# Altium PCB LASERDIODE.PcbDoc (part 3 of 3)
Units mm, origin at the board's own origin, x right, y up, seen from the top; angles counter-clockwise.
Board outline 90.01 x 90.01 mm, 4 copper layers (Top Layer, Layer 1, Layer 2, Bottom Layer), stack 1.584 mm thick; 328 components, 203 nets, 905 pads, 981 vias.
Unrouted connection lines stored in the file: 720.
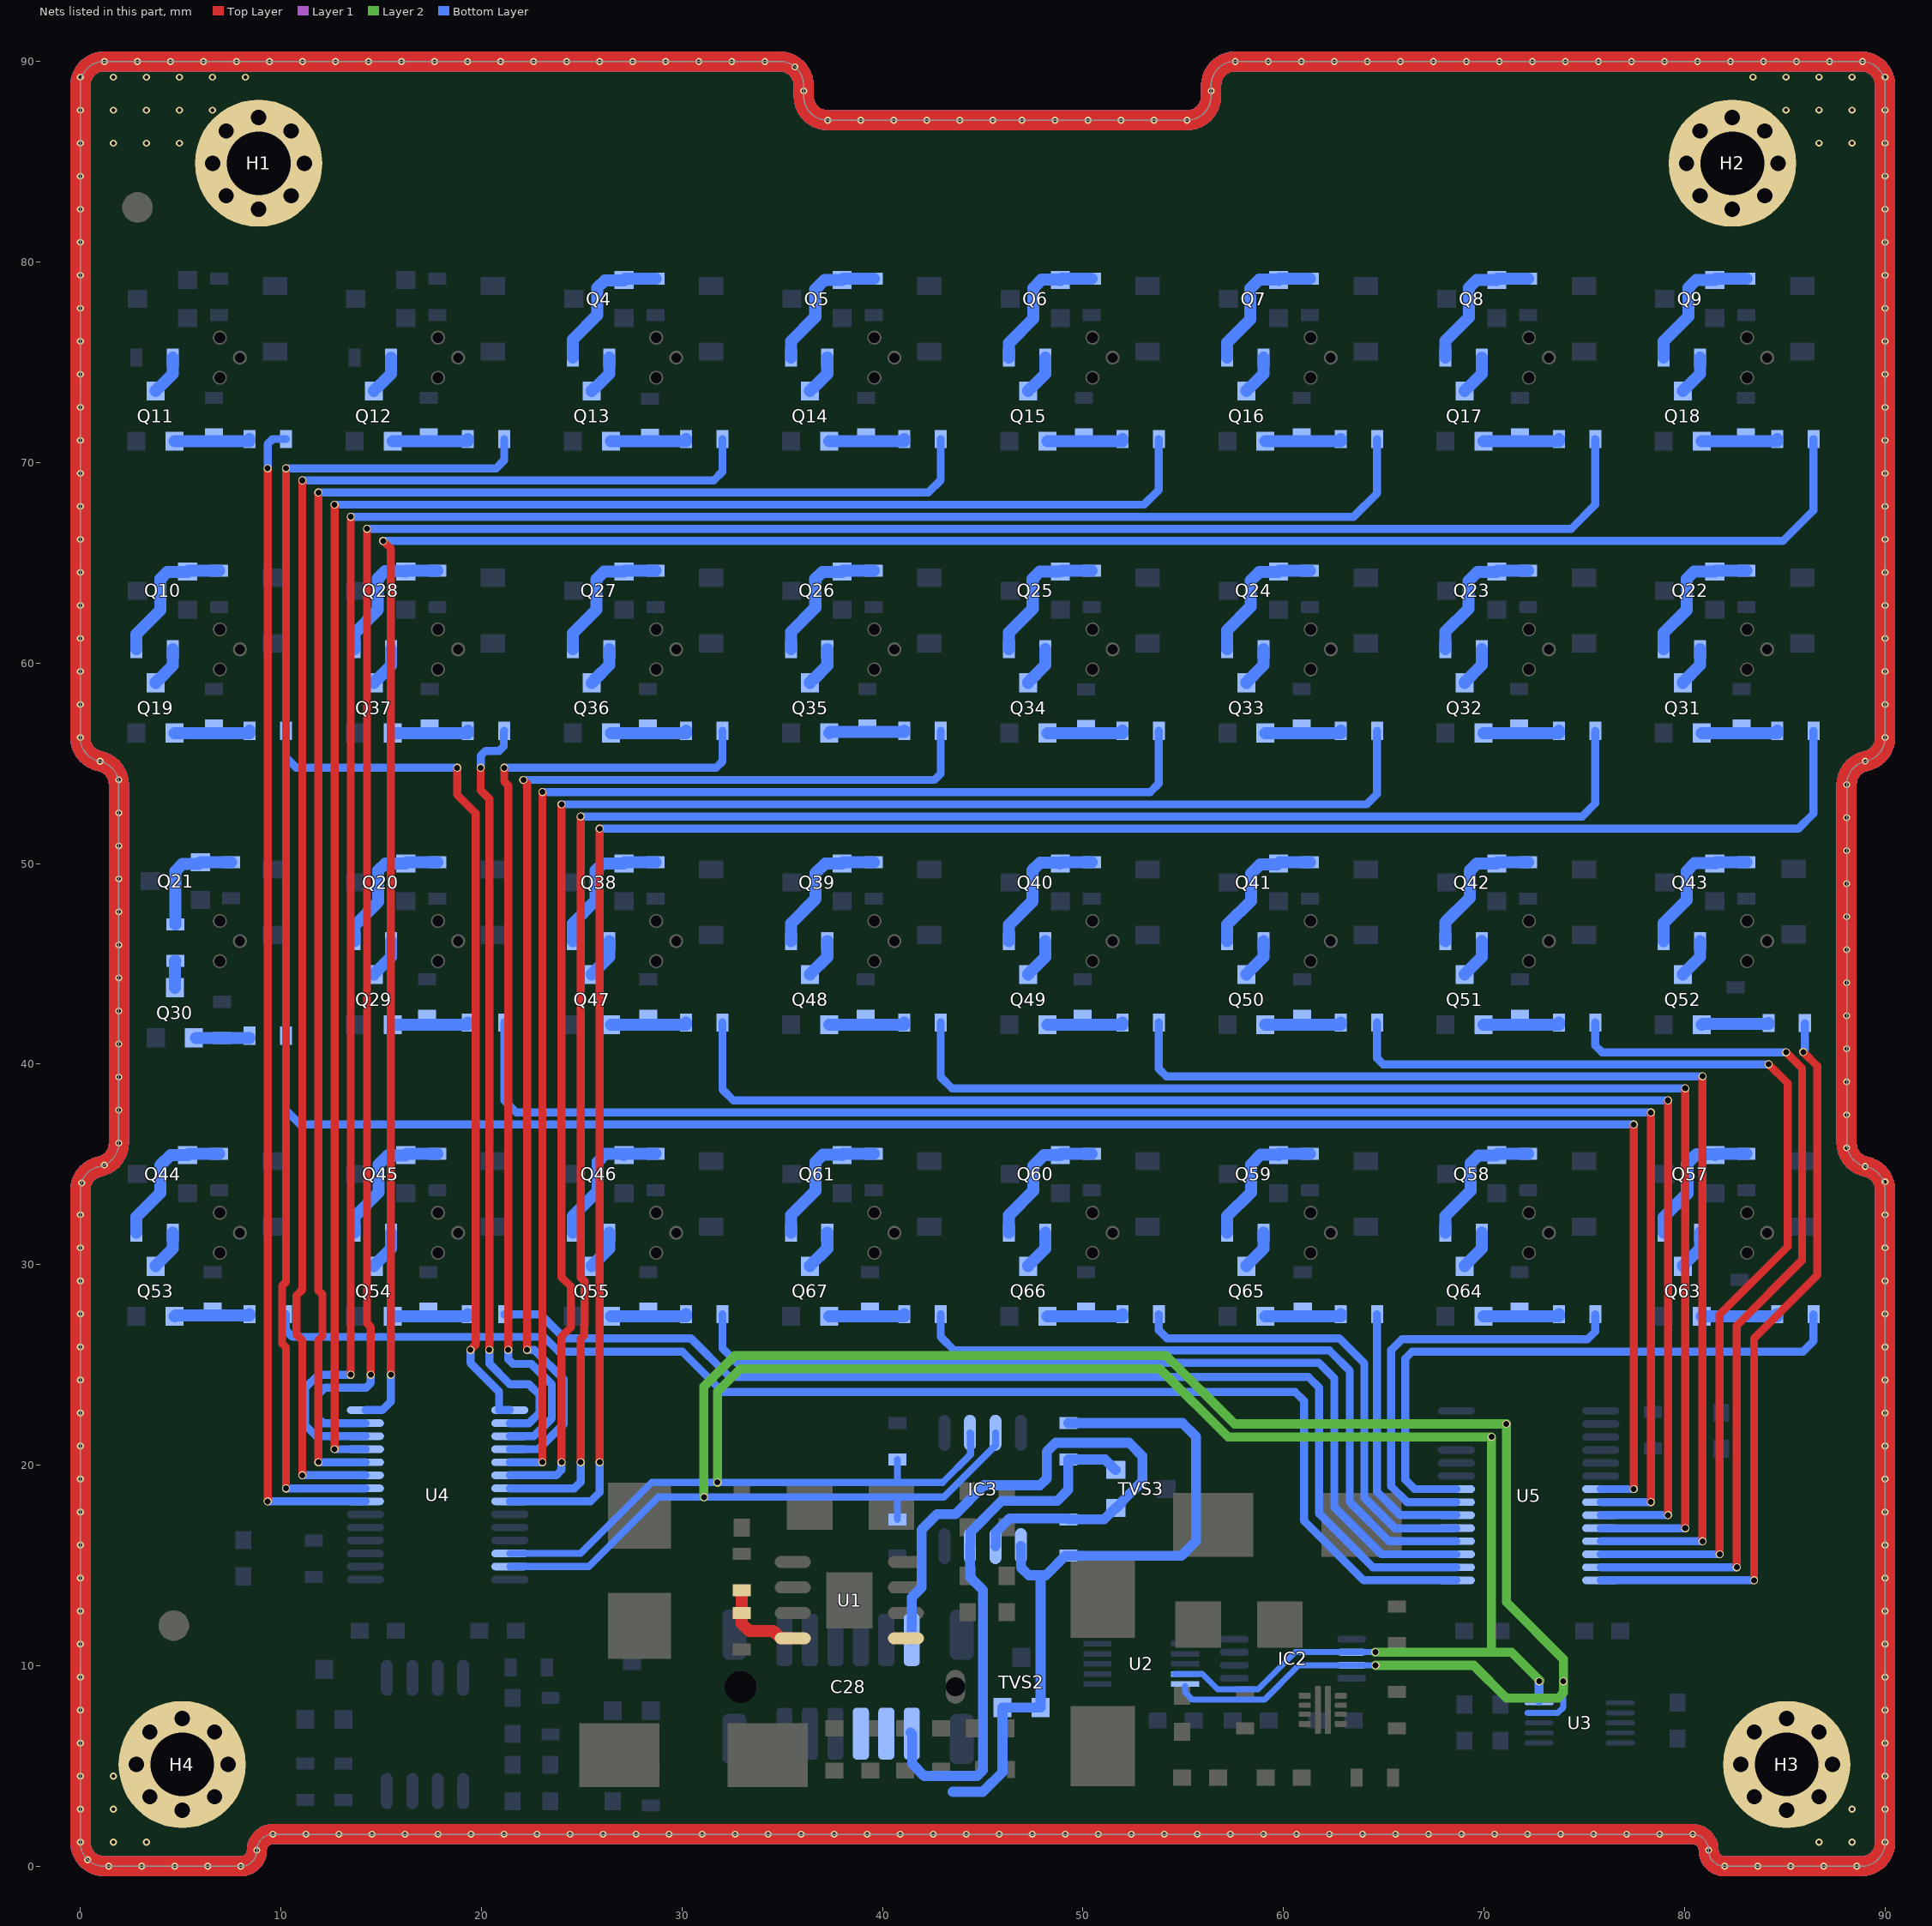
[diagram p5: the nets of this part, all layers, seen from the top]

## Via types
v1: diameter 0.4, hole 0.3, Top Layer to Bottom Layer, tented both sides, 727 vias
v2: diameter 0.35, hole 0.2, Top Layer to Bottom Layer, tented both sides, 253 vias
v3: diameter 0.4, hole 0.2, Top Layer to Bottom Layer, tented both sides, 1 vias

## Nets (pads, with @x,y where several pads share a name; then routed paths per layer and width w, separated by ;. In a path a pad name is that pad's centre, name@x,y a point inside that pad or via, vN(x,y) a via of type N, cw(c..) or ccw(c..) an arc to the next point about the centre after c; other vN are vias at no path point) (continued)
NetQ4_1: Q4.1 R20.2 R29.2 | length 7.1
  Bottom Layer w0.6: R29.2@24.553,75.232 24.553,76.133 25.78,77.36 25.78,78.71 26.16,79.09 27.095,79.09 Q4.1@27.11,79.105 27.163,79.159 R20.2@28.68,79.159
NetQ5_1: Q5.1 R21.2 R30.2 | length 7
  Bottom Layer w0.6: R30.2@35.433,75.232 35.433,76.053 36.65,77.27 36.65,78.64 37.11,79.1 37.985,79.1 Q5.1@37.99,79.105 38.043,79.159 R21.2@39.56,79.159
NetQ6_1: Q6.1 R22.2 R31.2 | length 7.1
  Bottom Layer w0.6: R31.2@46.313,75.232 46.313,75.963 47.52,77.17 47.52,78.7 47.94,79.12 48.855,79.12 Q6.1@48.87,79.105 48.923,79.159 R22.2@50.44,79.159
NetQ7_1: Q7.1 R23.2 R32.2 | length 7.1
  Bottom Layer w0.6: R32.2@57.193,75.232 57.193,75.983 58.35,77.14 58.35,78.68 58.79,79.12 Q7.1@59.765,79.12 ; Q7.1@59.75,79.105 Q7.1@59.765,79.12 ; R23.2@61.32,79.159 59.803,79.159 Q7.1@59.765,79.12
NetQ8_1: Q8.1 R24.2 R33.2 | length 7.1
  Bottom Layer w0.6: R33.2@68.073,75.232 68.073,76.063 69.25,77.24 69.25,78.72 69.63,79.1 70.625,79.1 Q8.1@70.63,79.105 70.683,79.159 R24.2@72.2,79.159
NetQ9_1: Q9.1 R25.2 R34.2 | length 7.1
  Bottom Layer w0.6: R34.2@78.953,75.232 78.953,76.053 80.19,77.29 80.19,78.72 80.57,79.1 81.505,79.1 Q9.1@81.51,79.105 81.563,79.159 R25.2@83.08,79.159
NetQ10_1: Q10.1 R26.2 R35.2 | length 7.1
  Bottom Layer w0.6: R35.2@2.793,60.686 2.793,61.443 3.99,62.64 3.99,64.19 4.341,64.541 5.333,64.541 Q10.1@5.35,64.558 5.403,64.612 R26.2@6.92,64.612
NetQ11_1: Q11.1 R36.2 R105.1 | length 3.9
  Bottom Layer w0.6: Q11.1@4.699,71.059 8.442,71.059 R36.2@8.442,71.168
NetQ11_3: Q11.3 R27.1 | length 2
  Bottom Layer w0.6: Q11.3@3.749,73.559 3.749,73.584 3.899,73.734 3.924,73.734 4.609,74.419 R27.1@4.609,75.232
NetQ12_1: Q12.1 R37.2 R111.1 | length 3.9
  Bottom Layer w0.6: Q12.1@15.579,71.059 19.324,71.059 R37.2@19.324,71.168
NetQ12_3: Q12.3 R28.1 | length 2
  Bottom Layer w0.6: Q12.3@14.629,73.559 14.629,73.584 14.829,73.784 14.854,73.784 15.489,74.419 R28.1@15.489,75.232
NetQ13_1: Q13.1 R38.2 R117.1 | length 3.9
  Bottom Layer w0.6: Q13.1@26.459,71.059 30.205,71.059 R38.2@30.205,71.168
NetQ13_3: Q13.3 R29.1 | length 2
  Bottom Layer w0.6: Q13.3@25.509,73.559 25.509,73.584 25.659,73.734 25.684,73.734 26.369,74.419 R29.1@26.369,75.232
NetQ14_1: Q14.1 R39.2 R118.1 | length 3.9
  Bottom Layer w0.6: Q14.1@37.339,71.059 41.086,71.059 R39.2@41.086,71.168
NetQ14_3: Q14.3 R30.1 | length 2
  Bottom Layer w0.6: Q14.3@36.389,73.559 36.389,73.584 36.539,73.734 36.564,73.734 37.249,74.419 R30.1@37.249,75.232
NetQ15_1: Q15.1 R40.2 R119.1 | length 3.9
  Bottom Layer w0.6: Q15.1@48.219,71.059 51.968,71.059 R40.2@51.968,71.168
NetQ15_3: Q15.3 R31.1 | length 2
  Bottom Layer w0.6: Q15.3@47.269,73.559 47.269,73.584 47.419,73.734 47.444,73.734 48.129,74.419 R31.1@48.129,75.232
NetQ16_1: Q16.1 R41.2 R120.1 | length 3.9
  Bottom Layer w0.6: Q16.1@59.099,71.059 62.849,71.059 R41.2@62.849,71.168
NetQ16_3: Q16.3 R32.1 | length 2
  Bottom Layer w0.6: Q16.3@58.149,73.559 58.149,73.584 58.299,73.734 58.324,73.734 59.009,74.419 R32.1@59.009,75.232
NetQ17_1: Q17.1 R42.2 R121.1 | length 3.9
  Bottom Layer w0.6: Q17.1@69.979,71.059 73.731,71.059 R42.2@73.731,71.168
NetQ17_3: Q17.3 R33.1 | length 2
  Bottom Layer w0.6: Q17.3@69.029,73.559 69.029,73.584 69.179,73.734 69.204,73.734 69.889,74.419 R33.1@69.889,75.232
NetQ18_1: Q18.1 R43.2 R122.1 | length 3.9
  Bottom Layer w0.6: Q18.1@80.859,71.059 84.612,71.059 R43.2@84.612,71.168
NetQ18_3: Q18.3 R34.1 | length 2
  Bottom Layer w0.6: Q18.3@79.909,73.559 79.909,73.584 80.059,73.734 80.084,73.734 80.769,74.419 R34.1@80.769,75.232
NetQ19_1: Q19.1 R44.2 R123.1 | length 3.9
  Bottom Layer w0.6: Q19.1@4.699,56.512 8.442,56.512 R44.2@8.442,56.621
NetQ19_3: Q19.3 R35.1 | length 2
  Bottom Layer w0.6: Q19.3@3.749,59.012 3.749,59.037 3.899,59.187 3.924,59.187 4.609,59.872 R35.1@4.609,60.685
NetQ20_1: Q20.1 R45.2 R54.2 | length 7.1
  Bottom Layer w0.6: R54.2@13.673,46.139 13.673,46.903 14.86,48.09 14.86,49.66 15.211,50.011 Q20.1@16.23,50.012 16.283,50.065 R45.2@17.8,50.065
NetQ21_1: Q21.1 R46.2 R55.2 | length 5.6
  Bottom Layer w0.6: R55.2@4.74,46.967 4.74,49.625 5.092,49.977 5.891,49.977 Q21.1@5.99,50.076 ; Q21.1@5.991,50.077 R46.2@7.52,50.077
NetQ22_1: Q22.1 R47.2 R56.2 | length 7.1
  Bottom Layer w0.6: R56.2@78.953,60.686 78.953,61.503 80.1,62.65 80.1,64.2 80.47,64.57 81.498,64.57 Q22.1@81.51,64.558 81.563,64.612 R47.2@83.08,64.612
NetQ23_1: Q23.1 R48.2 R57.2 | length 7.1
  Bottom Layer w0.6: R57.2@68.073,60.686 68.073,61.563 69.22,62.71 69.22,64.09 69.67,64.54 70.611,64.54 Q23.1@70.63,64.558 70.683,64.612 R48.2@72.2,64.612
NetQ24_1: Q24.1 R49.2 R58.2 | length 7.1
  Bottom Layer w0.6: R58.2@57.193,60.686 57.193,61.643 58.37,62.82 58.37,64.11 58.8,64.54 59.731,64.54 Q24.1@59.75,64.558 59.803,64.612 R49.2@61.32,64.612
NetQ25_1: Q25.1 R50.2 R59.2 | length 7.1
  Bottom Layer w0.6: R59.2@46.313,60.686 46.313,61.523 47.49,62.7 47.49,64.207 47.841,64.558 Q25.1@48.87,64.558 48.923,64.612 R50.2@50.44,64.612
NetQ26_1: Q26.1 R51.2 R60.2 | length 7.1
  Bottom Layer w0.6: R60.2@35.433,60.686 35.433,61.543 36.65,62.76 36.65,64.197 37.001,64.549 37.98,64.549 38.043,64.612 R51.2@39.56,64.612
NetQ27_1: Q27.1 R52.2 R61.2 | length 7.1
  Bottom Layer w0.6: R61.2@24.553,60.686 24.553,61.483 25.73,62.66 25.73,64.18 26.12,64.57 27.098,64.57 Q27.1@27.11,64.558 27.163,64.612 R52.2@28.68,64.612
NetQ28_1: Q28.1 R53.2 R62.2 | length 7.2
  Bottom Layer w0.6: R62.2@13.673,60.686 13.673,61.493 14.84,62.66 14.84,64.22 15.2,64.58 16.208,64.58 Q28.1@16.23,64.558 16.283,64.612 R53.2@17.8,64.612
NetQ29_1: Q29.1 R63.2 R124.1 | length 3.9
  Bottom Layer w0.6: Q29.1@15.579,41.966 19.324,41.966 R63.2@19.324,42.074
NetQ29_3: Q29.3 R54.1 | length 2
  Bottom Layer w0.6: Q29.3@14.629,44.466 14.629,44.491 15.489,45.351 R54.1@15.489,46.139
NetQ30_1: Q30.1 R64.2 R125.1 | length 2.7
  Bottom Layer w0.6: Q30.1@5.767,41.31 R64.2@8.442,41.31
NetQ30_3: Q30.3 R55.1 | length 1.4
  Bottom Layer w0.6: Q30.3@4.716,43.81 4.716,45.151 R55.1@4.74,45.151
NetQ31_1: Q31.1 R65.2 R126.1 | length 3.9
  Bottom Layer w0.6: Q31.1@80.859,56.512 82.84,56.512 84.612,56.512 R65.2@84.612,56.621
NetQ31_3: Q31.3 R56.1 | length 2
  Bottom Layer w0.6: Q31.3@79.909,59.012 79.909,59.037 80.769,59.897 R56.1@80.769,60.685
NetQ32_1: Q32.1 R66.2 R127.1 | length 3.9
  Bottom Layer w0.6: Q32.1@69.979,56.512 73.731,56.512 R66.2@73.731,56.621
NetQ32_3: Q32.3 R57.1 | length 2
  Bottom Layer w0.6: Q32.3@69.029,59.012 69.029,59.037 69.889,59.897 R57.1@69.889,60.685
NetQ33_1: Q33.1 R67.2 R128.1 | length 3.9
  Bottom Layer w0.6: Q33.1@59.099,56.512 62.849,56.512 R67.2@62.849,56.621
NetQ33_3: Q33.3 R58.1 | length 2
  Bottom Layer w0.6: Q33.3@58.149,59.012 58.149,59.037 59.009,59.897 R58.1@59.009,60.685
NetQ34_1: Q34.1 R68.2 R129.1 | length 3.9
  Bottom Layer w0.6: Q34.1@48.219,56.512 51.968,56.512 R68.2@51.968,56.621
NetQ34_3: Q34.3 R59.1 | length 2
  Bottom Layer w0.6: Q34.3@47.269,59.012 47.269,59.037 48.129,59.897 R59.1@48.129,60.685
NetQ35_1: Q35.1 R69.2 R130.1 | length 3.8
  Bottom Layer w0.6: Q35.1@37.339,56.512 37.393,56.567 41.086,56.567 R69.2@41.086,56.621
NetQ35_3: Q35.3 R60.1 | length 2
  Bottom Layer w0.6: Q35.3@36.389,59.012 36.389,59.037 36.539,59.187 36.564,59.187 37.249,59.872 R60.1@37.249,60.685
NetQ36_1: Q36.1 R70.2 R131.1 | length 3.9
  Bottom Layer w0.6: Q36.1@26.459,56.512 30.205,56.512 R70.2@30.205,56.621
NetQ36_3: Q36.3 R61.1 | length 2
  Bottom Layer w0.6: Q36.3@25.509,59.012 25.659,59.162 25.659,59.187 26.369,59.897 R61.1@26.369,60.685
NetQ37_1: Q37.1 R71.2 R132.1 | length 3.9
  Bottom Layer w0.6: Q37.1@15.579,56.512 19.324,56.512 R71.2@19.324,56.621
NetQ37_3: Q37.3 R62.1 | length 2
  Bottom Layer w0.6: Q37.3@14.629,59.012 14.629,59.037 14.779,59.187 14.804,59.187 15.489,59.872 R62.1@15.489,60.685
NetQ38_1: Q38.1 R72.2 R81.2 | length 7.1
  Bottom Layer w0.6: R81.2@24.553,46.139 24.553,47.013 25.7,48.16 25.7,49.66 26.051,50.012 Q38.1@27.11,50.012 27.163,50.065 R72.2@28.68,50.065
NetQ39_1: Q39.1 R73.2 R82.2 | length 7
  Bottom Layer w0.6: R82.2@35.433,46.139 35.433,47.003 36.67,48.24 36.67,49.53 37.15,50.01 37.988,50.01 Q39.1@37.99,50.012 38.043,50.065 R73.2@39.56,50.065
NetQ40_1: Q40.1 R74.2 R83.2 | length 7.2
  Bottom Layer w0.6: R83.2@46.313,46.139 46.313,46.953 47.47,48.11 47.47,49.66 47.86,50.05 48.831,50.05 Q40.1@48.87,50.012 48.923,50.065 R74.2@50.44,50.065
NetQ41_1: Q41.1 R75.2 R84.2 | length 7
  Bottom Layer w0.6: R84.2@57.193,46.139 57.193,46.963 58.38,48.15 58.38,49.51 58.83,49.96 59.698,49.96 Q41.1@59.75,50.012 59.803,50.065 R75.2@61.32,50.065
NetQ42_1: Q42.1 R76.2 R85.2 | length 7.1
  Bottom Layer w0.6: R85.2@68.073,46.139 68.073,47.083 69.28,48.29 69.28,49.65 69.64,50.01 70.628,50.01 Q42.1@70.63,50.012 70.683,50.065 R76.2@72.2,50.065
NetQ43_1: Q43.1 R77.2 R86.2 | length 7.1
  Bottom Layer w0.6: R86.2@78.953,46.139 78.953,47.033 80.1,48.18 80.1,49.62 80.5,50.02 81.501,50.02 Q43.1@81.51,50.012 81.563,50.065 R77.2@83.08,50.065
NetQ44_1: Q44.1 R78.2 R87.2 | length 7
  Bottom Layer w0.6: R87.2@2.793,31.592 2.793,32.393 3.99,33.59 3.99,34.96 4.495,35.465 Q44.1@5.35,35.465 5.403,35.519 R78.2@6.92,35.519
NetQ45_1: Q45.1 R79.2 R88.2 | length 7
  Bottom Layer w0.6: R88.2@13.673,31.592 13.673,32.393 14.88,33.6 14.88,34.99 15.33,35.44 16.205,35.44 Q45.1@16.23,35.465 16.283,35.519 R79.2@17.8,35.519
NetQ46_1: Q46.1 R80.2 R89.2 | length 7.1
  Bottom Layer w0.6: R89.2@24.553,31.592 24.553,32.423 25.79,33.66 25.79,35.12 26.19,35.52 27.055,35.52 Q46.1@27.11,35.465 27.163,35.519 R80.2@28.68,35.519
NetQ47_1: Q47.1 R90.2 R133.1 | length 3.9
  Bottom Layer w0.6: Q47.1@26.459,41.966 30.205,41.966 R90.2@30.205,42.074
NetQ47_3: Q47.3 R81.1 | length 2
  Bottom Layer w0.6: Q47.3@25.509,44.466 25.509,44.491 26.369,45.351 R81.1@26.369,46.139
NetQ48_1: Q48.1 R91.2 R134.1 | length 3.9
  Bottom Layer w0.6: Q48.1@37.339,41.966 41.086,41.966 R91.2@41.086,42.074
NetQ48_3: Q48.3 R82.1 | length 2
  Bottom Layer w0.6: Q48.3@36.389,44.466 36.389,44.491 37.249,45.351 R82.1@37.249,46.139
NetQ49_1: Q49.1 R92.2 R135.1 | length 3.9
  Bottom Layer w0.6: Q49.1@48.219,41.966 51.968,41.966 R92.2@51.968,42.074
NetQ49_3: Q49.3 R83.1 | length 2
  Bottom Layer w0.6: Q49.3@47.269,44.466 47.269,44.491 48.129,45.351 R83.1@48.129,46.139
NetQ50_1: Q50.1 R93.2 R136.1 | length 3.9
  Bottom Layer w0.6: Q50.1@59.099,41.966 62.849,41.966 R93.2@62.849,42.074
NetQ50_3: Q50.3 R84.1 | length 2
  Bottom Layer w0.6: Q50.3@58.149,44.466 58.149,44.491 59.009,45.351 R84.1@59.009,46.139
NetQ51_1: Q51.1 R94.2 R137.1 | length 3.9
  Bottom Layer w0.6: Q51.1@69.979,41.966 73.731,41.966 R94.2@73.731,42.074
NetQ51_3: Q51.3 R85.1 | length 2
  Bottom Layer w0.6: Q51.3@69.029,44.466 69.029,44.491 69.889,45.351 R85.1@69.889,46.139
NetQ52_1: Q52.1 R95.2 R138.1 | length 3.4
  Bottom Layer w0.6: Q52.1@80.859,41.966 80.896,42.003 84.182,42.003 R95.2@84.182,42.04
NetQ52_3: Q52.3 R86.1 | length 2
  Bottom Layer w0.6: Q52.3@79.909,44.466 79.909,44.491 80.769,45.351 R86.1@80.769,46.139
NetQ53_1: Q53.1 R96.2 R139.1 | length 3.8
  Bottom Layer w0.6: Q53.1@4.699,27.419 4.753,27.473 6.598,27.473 8.442,27.473 R96.2@8.442,27.528
NetQ53_3: Q53.3 R87.1 | length 2
  Bottom Layer w0.6: Q53.3@3.749,29.919 3.749,29.944 4.609,30.804 R87.1@4.609,31.592
NetQ54_1: Q54.1 R97.2 R140.1 | length 3.9
  Bottom Layer w0.6: Q54.1@15.579,27.419 19.324,27.419 R97.2@19.324,27.528
NetQ54_3: Q54.3 R88.1 | length 2
  Bottom Layer w0.6: Q54.3@14.629,29.919 14.629,29.944 15.489,30.804 R88.1@15.489,31.592
NetQ55_1: Q55.1 R98.2 R141.1 | length 3.9
  Bottom Layer w0.6: Q55.1@26.459,27.419 30.205,27.419 R98.2@30.205,27.528
NetQ55_3: Q55.3 R89.1 | length 2
  Bottom Layer w0.6: Q55.3@25.509,29.919 25.509,29.944 26.369,30.804 R89.1@26.369,31.592
NetQ57_1: Q57.1 R100.2 R106.2 | length 7.1
  Bottom Layer w0.6: R106.2@78.953,31.592 78.953,32.363 80.14,33.55 80.14,35.06 80.59,35.51 81.465,35.51 Q57.1@81.51,35.465 81.563,35.519 R100.2@83.08,35.519
NetQ58_1: Q58.1 R101.2 R107.2 | length 7
  Bottom Layer w0.6: R107.2@68.073,31.592 68.073,32.423 69.33,33.68 69.33,35.06 69.72,35.45 70.615,35.45 Q58.1@70.63,35.465 70.683,35.519 R101.2@72.2,35.519
NetQ59_1: Q59.1 R102.2 R108.2 | length 7.1
  Bottom Layer w0.6: R108.2@57.193,31.592 57.193,32.423 58.38,33.61 58.38,35 58.86,35.48 Q59.1@59.735,35.48 ; Q59.1@59.75,35.465 Q59.1@59.735,35.48 ; R102.2@61.32,35.519 59.773,35.519 Q59.1@59.735,35.48
NetQ60_1: Q60.1 R103.2 R109.2 | length 7
  Bottom Layer w0.6: R109.2@46.313,31.592 46.313,32.473 47.52,33.68 47.52,34.92 48.06,35.46 48.865,35.46 Q60.1@48.87,35.465 48.923,35.519 R103.2@50.44,35.519
NetQ61_1: Q61.1 R104.2 R110.2 | length 7.1
  Bottom Layer w0.6: R110.2@35.433,31.592 35.433,32.463 36.66,33.69 36.66,35.12 37.02,35.48 37.975,35.48 Q61.1@37.99,35.465 38.043,35.519 R104.2@39.56,35.519
NetQ63_1: Q63.1 R112.2 R142.1 | length 3.9
  Bottom Layer w0.6: Q63.1@80.859,27.419 84.612,27.419 R112.2@84.612,27.528
NetQ63_3: Q63.3 R106.1 | length 2
  Bottom Layer w0.6: Q63.3@79.909,29.919 79.909,29.944 80.769,30.804 R106.1@80.769,31.592
NetQ64_1: Q64.1 R113.2 R143.1 | length 3.9
  Bottom Layer w0.6: Q64.1@69.979,27.419 73.731,27.419 R113.2@73.731,27.528
NetQ64_3: Q64.3 R107.1 | length 2
  Bottom Layer w0.6: Q64.3@69.029,29.919 69.029,29.944 69.889,30.804 R107.1@69.889,31.592
NetQ65_1: Q65.1 R114.2 R144.1 | length 3.9
  Bottom Layer w0.6: Q65.1@59.099,27.419 62.849,27.419 R114.2@62.849,27.528
NetQ65_3: Q65.3 R108.1 | length 2
  Bottom Layer w0.6: Q65.3@58.149,29.919 58.149,29.944 59.009,30.804 R108.1@59.009,31.592
NetQ66_1: Q66.1 R115.2 R145.1 | length 3.9
  Bottom Layer w0.6: Q66.1@48.219,27.419 51.968,27.419 R115.2@51.968,27.528
NetQ66_3: Q66.3 R109.1 | length 2
  Bottom Layer w0.6: Q66.3@47.269,29.919 47.269,29.944 48.129,30.804 R109.1@48.129,31.592
NetQ67_1: Q67.1 R116.2 R146.1 | length 3.9
  Bottom Layer w0.6: Q67.1@37.339,27.419 41.086,27.419 R116.2@41.086,27.528
NetQ67_3: Q67.3 R110.1 | length 2
  Bottom Layer w0.6: Q67.3@36.389,29.919 36.389,29.944 37.249,30.804 R110.1@37.249,31.592
NetR5_1: R5.1 R7.2 U1.4 | length 4.5
  Top Layer w0.6: R5.1@32.98,13.763 R7.2@32.98,12.635 32.99,12.635 32.99,12.091 33.341,11.74 34.548,11.74 34.925,11.363 U1.4@35.525,11.363
SCL: IC2.6 IC3.6 R11.1 U2.9 U3.10 U4.12 U5.12 | length 105.6
  Layer 2 w0.45: v1(31.77,19.14) 31.77,23.67 32.91,24.81 53.83,24.81 57.232,21.408 v1(70.37,21.408) 70.37,10.68 ; v1(64.58,10.68) 70.37,10.68 ; v1@72.788,9.263 71.37,10.68 70.37,10.68
  Bottom Layer w0.3: U2.9@54.56,9.59 U2.9@55.094,9.59 55.94,9.59 56.71,8.82 58.73,8.82 60.585,10.675 IC2.6@63.395,10.675 63.398,10.673 64.517,10.673 v1@64.52,10.67
  Bottom Layer w0.35: U4.12@21.418,15.595 24.945,15.595 28.49,19.14 v1(31.77,19.14) 40.73,19.14 ; R11.1@40.75,20.281 40.75,19.16 40.73,19.14 ; IC3.6@44.365,21.615 44.387,21.593 44.387,20.527 43,19.14 40.73,19.14
  Bottom Layer w0.4: U5.12@68.618,21.408 v1(70.37,21.408)
  Bottom Layer w0.45: U3.10@72.745,8.25 v1(72.745,9.22)
SCL_LD: C28.12 IC3.3 R8.1 TVS3.3 | length 27.5
  Bottom Layer w0.5: C28.12@41.395,6.665 41.481,6.579 41.481,5.108 42.089,4.5 44.72,4.5 45.013,4.793 45.013,13.772 44.365,14.42 IC3.3@44.365,15.965 44.384,15.984 44.384,16.664 45.94,18.22 48.72,18.22 49.27,18.77 R8.1@49.27,20.281 51.098,20.281 51.615,19.764 TVS3.3@51.64,19.764
SDA: IC2.7 IC3.7 R10.1 U2.10 U3.9 U4.13 U5.13 | length 117.1
  Layer 2 w0.45: v1(31.1,18.41) 31.1,23.93 32.64,25.47 54.14,25.47 57.552,22.058 v1(71.11,22.058) 71.11,13.17 73.96,10.32 v1(73.96,9.22) 73.96,8.654 73.696,8.39 71.112,8.39 69.482,10.02 v1(64.59,10.02)
  Bottom Layer w0.3: U2.10@55.09,8.99 55.09,8.67 55.46,8.3 59.04,8.3 60.765,10.025 IC2.7@63.395,10.025 63.403,10.018 64.512,10.018 v1@64.52,10.01 ; U3.9@72.17,7.65 U3.9@72.745,7.65 73.68,7.65 73.96,7.93 v1(73.96,9.22)
  Bottom Layer w0.35: U4.13@21.418,14.945 25.345,14.945 28.81,18.41 v1(31.1,18.41) 40.79,18.41 ; R10.1@40.75,17.299 40.75,18.37 40.79,18.41 ; IC3.7@45.635,21.615 45.635,20.995 43.05,18.41 40.79,18.41
  Bottom Layer w0.4: U5.13@68.618,22.058 v1(71.11,22.058)
SDA_LD: C28.1 IC3.2 R9.1 TVS3.1 | length 29.9
  Bottom Layer w0.5: C28.1@41.463,11.283 41.463,13.413 41.947,13.897 41.947,16.789 42.716,17.558 43.637,17.558 45.079,19 47.86,19 48.2,19.34 48.2,20.67 48.65,21.12 52.29,21.12 52.96,20.45 52.96,19.209 51.94,18.189 51.94,18.139 51.665,17.864 TVS3.1@51.64,17.864 51.615,17.864 51.05,17.299 R9.1@49.27,17.299 49.229,17.34 46.33,17.34 45.654,16.664 45.654,15.984 IC3.2@45.635,15.965
SHIELD: H1.1 H2.1 H3.1 H4.1 | length 1470.2
  Top Layer w1: v2(-0.001,56.285) ccw(c1.199,56.285) v2(0.99,55.102) ; v2@0,56.286 0,88.8 cw(c1.2,88.8) v2(1.2,90) 34.87,90 cw(c34.87,88.8) 36.07,88.8 36.07,88.27 ccw(c37.27,88.27) v2(37.27,87.07) v2(55.19,87.07) ccw(c55.19,88.27) 56.39,88.27 56.39,88.8 cw(c57.59,88.8) v2(57.59,90) 88.8,90 cw(c88.8,88.8) 90,88.8 ; 0.928,34.883 ccw(c0.72,36.065) v2(1.92,36.065) 1.92,53.935 ccw(c0.72,53.935) v2@0.928,55.117 ; 0.992,34.897 ccw(c1.2,33.715) 0,33.715 v2(0,1.2) ccw(c1.2,1.2) 1.2,0 v2(8,0) ccw(c8,0.8) v2(8.8,0.8) cw(c9.6,0.8) v2(9.6,1.6) 80.4,1.6 cw(c80.4,0.8) v2(81.2,0.8) ccw(c82,0.8) v2(82,0) 88.8,0 ccw(c88.8,1.2) v2(90,1.2) 90,33.712 ; v2(89.007,34.895) cw(c88.799,33.713) 89.999,33.713 ; v2(89.007,55.107) ccw(c88.799,56.289) v2(89.999,56.289) 89.999,88.799 ; v2@89.072,34.883 cw(c89.28,36.065) 88.08,36.065 v2(88.08,53.935) cw(c89.28,53.935) v2@89.072,55.117
  Layer 1 w1: v2(-0.001,56.285) ccw(c1.199,56.285) v2(0.99,55.102) ; v2@0,56.286 0,88.8 cw(c1.2,88.8) v2(1.2,90) 34.87,90 cw(c34.87,88.8) 36.07,88.8 36.07,88.27 ccw(c37.27,88.27) v2(37.27,87.07) v2(55.19,87.07) ccw(c55.19,88.27) 56.39,88.27 56.39,88.8 cw(c57.59,88.8) v2(57.59,90) 88.8,90 cw(c88.8,88.8) 90,88.8 ; 0.928,34.883 ccw(c0.72,36.065) v2(1.92,36.065) 1.92,53.935 ccw(c0.72,53.935) v2@0.928,55.117 ; 0.992,34.897 ccw(c1.2,33.715) 0,33.715 v2(0,1.2) ccw(c1.2,1.2) 1.2,0 v2(8,0) ccw(c8,0.8) v2(8.8,0.8) cw(c9.6,0.8) v2(9.6,1.6) 80.4,1.6 cw(c80.4,0.8) v2(81.2,0.8) ccw(c82,0.8) v2(82,0) 88.8,0 ccw(c88.8,1.2) v2(90,1.2) 90,33.712 ; v2(89.007,34.895) cw(c88.799,33.713) 89.999,33.713 ; v2(89.007,55.107) ccw(c88.799,56.289) v2(89.999,56.289) 89.999,88.799 ; v2@89.072,34.883 cw(c89.28,36.065) 88.08,36.065 v2(88.08,53.935) cw(c89.28,53.935) v2@89.072,55.117
  Layer 2 w1: v2(-0.001,56.285) ccw(c1.199,56.285) v2(0.99,55.102) ; v2@0,56.286 0,88.8 cw(c1.2,88.8) v2(1.2,90) 34.87,90 cw(c34.87,88.8) 36.07,88.8 36.07,88.27 ccw(c37.27,88.27) v2(37.27,87.07) v2(55.19,87.07) ccw(c55.19,88.27) 56.39,88.27 56.39,88.8 cw(c57.59,88.8) v2(57.59,90) 88.8,90 cw(c88.8,88.8) 90,88.8 ; 0.928,34.883 ccw(c0.72,36.065) v2(1.92,36.065) 1.92,53.935 ccw(c0.72,53.935) v2@0.928,55.117 ; 0.992,34.897 ccw(c1.2,33.715) 0,33.715 v2(0,1.2) ccw(c1.2,1.2) 1.2,0 v2(8,0) ccw(c8,0.8) v2(8.8,0.8) cw(c9.6,0.8) v2(9.6,1.6) 80.4,1.6 cw(c80.4,0.8) v2(81.2,0.8) ccw(c82,0.8) v2(82,0) 88.8,0 ccw(c88.8,1.2) v2(90,1.2) 90,33.712 ; v2(89.007,34.895) cw(c88.799,33.713) 89.999,33.713 ; v2(89.007,55.107) ccw(c88.799,56.289) v2(89.999,56.289) 89.999,88.799 ; v2@89.072,34.883 cw(c89.28,36.065) 88.08,36.065 v2(88.08,53.935) cw(c89.28,53.935) v2@89.072,55.117
  Bottom Layer w1: v2(-0.001,56.285) ccw(c1.199,56.285) v2(0.99,55.102) ; v2@0,56.286 0,88.8 cw(c1.2,88.8) v2(1.2,90) 34.87,90 cw(c34.87,88.8) 36.07,88.8 36.07,88.27 ccw(c37.27,88.27) v2(37.27,87.07) v2(55.19,87.07) ccw(c55.19,88.27) 56.39,88.27 56.39,88.8 cw(c57.59,88.8) v2(57.59,90) 88.8,90 cw(c88.8,88.8) 90,88.8 ; 0.928,34.883 ccw(c0.72,36.065) v2(1.92,36.065) 1.92,53.935 ccw(c0.72,53.935) v2@0.928,55.117 ; 0.992,34.897 ccw(c1.2,33.715) 0,33.715 v2(0,1.2) ccw(c1.2,1.2) 1.2,0 v2(8,0) ccw(c8,0.8) v2(8.8,0.8) cw(c9.6,0.8) v2(9.6,1.6) 80.4,1.6 cw(c80.4,0.8) v2(81.2,0.8) ccw(c82,0.8) v2(82,0) 88.8,0 ccw(c88.8,1.2) v2(90,1.2) 90,33.712 ; v2(89.007,34.895) cw(c88.799,33.713) 89.999,33.713 ; v2(89.007,55.107) ccw(c88.799,56.289) v2(89.999,56.289) 89.999,88.799 ; v2@89.072,34.883 cw(c89.28,36.065) 88.08,36.065 v2(88.08,53.935) cw(c89.28,53.935) v2@89.072,55.117
  other v2: 1.414,0 3.06,0 4.707,0 6.353,0 83.647,0 85.293,0 86.94,0 88.586,0 0.369,0.325 1.647,1.2 3.293,1.2 86.707,1.2 88.353,1.2 11.247,1.6 12.893,1.6 14.54,1.6 16.186,1.6 17.833,1.6 19.48,1.6 21.126,1.6 22.773,1.6 24.419,1.6 26.066,1.6 27.712,1.6 29.359,1.6 31.006,1.6 32.652,1.6 34.299,1.6 35.945,1.6 37.592,1.6 39.239,1.6 40.885,1.6 42.532,1.6 44.178,1.6 45.825,1.6 47.471,1.6 49.118,1.6 50.765,1.6 52.411,1.6 54.058,1.6 55.704,1.6 57.351,1.6 58.998,1.6 60.644,1.6 62.291,1.6 63.937,1.6 65.584,1.6 67.23,1.6 68.877,1.6 70.524,1.6 72.17,1.6 73.817,1.6 75.463,1.6 77.11,1.6 78.757,1.6 80.403,1.6 0,2.847 1.647,2.847 88.353,2.847 90,2.847 0,4.493 1.647,4.493 90,4.493 0,6.14 90,6.14 0,7.786 90,7.786 0,9.433 90,9.433 0,11.08 90,11.08 0,12.726 90,12.726 0,14.373 90,14.373 0,16.019 90,16.019 0,17.666 90,17.666 0,19.312 90,19.312 0,20.959 90,20.959 0,22.606 90,22.606 0,24.252 90,24.252 0,25.899 90,25.899 0,27.545 90,27.545 0,29.192 90,29.192 0,30.839 90,30.839 0,32.485 90,32.485 0.07,34.07 90,34.132 1.2,34.965 88.08,35.823 88.08,37.469 1.92,37.712 88.08,39.116 1.92,39.358 88.08,40.762 1.92,41.005 88.08,42.409 1.92,42.651 88.08,44.055 1.92,44.298 88.08,45.702 1.92,45.945 88.08,47.349 1.92,47.591 88.08,48.995 1.92,49.238 88.08,50.642 1.92,50.884 88.08,52.288 1.92,52.531 1.92,54.177 -0.001,57.932 89.999,57.936 -0.001,59.578 89.999,59.582 -0.001,61.225 89.999,61.229 -0.001,62.871 89.999,62.875 -0.001,64.518 89.999,64.522 -0.001,66.165 89.999,66.169 -0.001,67.811 89.999,67.815 -0.001,69.458 89.999,69.462 -0.001,71.104 89.999,71.108 -0.001,72.751 89.999,72.755 -0.001,74.397 89.999,74.401 -0.001,76.044 89.999,76.048 -0.001,77.691 89.999,77.695 -0.001,79.337 89.999,79.341 -0.001,80.984 89.999,80.988 -0.001,82.63 89.999,82.634 -0.001,84.277 89.999,84.281 -0.001,85.924 1.646,85.924 3.292,85.924 4.939,85.924 86.706,85.928 88.352,85.928 89.999,85.928 38.917,87.07 40.563,87.07 42.21,87.07 43.856,87.07 45.503,87.07 46.957,87.07 48.604,87.07 50.25,87.07 51.897,87.07 53.543,87.07 -0.001,87.57 1.646,87.57 3.292,87.57 4.939,87.57 6.585,87.57 85.059,87.574 86.706,87.574 88.352,87.574 89.999,87.574 36.07,88.535 56.39,88.535 -0.001,89.217 1.646,89.217 3.292,89.217 4.939,89.217 6.585,89.217 8.232,89.217 83.413,89.221 85.059,89.221 86.706,89.221 88.352,89.221 89.999,89.221 35.63,89.73 2.847,90 4.493,90 6.14,90 7.786,90 9.433,90 11.08,90 12.726,90 14.373,90 16.019,90 17.666,90 19.312,90 20.959,90 22.606,90 24.252,90 25.899,90 27.545,90 29.192,90 30.839,90 32.485,90 34.132,90 59.237,90 60.883,90 62.53,90 64.176,90 65.823,90 67.47,90 69.116,90 70.763,90 72.409,90 74.056,90 75.702,90 77.349,90 78.996,90 80.642,90 82.289,90 83.935,90 85.582,90 87.229,90 88.875,90
SW0: R36.1 U4.21 | length 58.6
  Top Layer w0.4: v1(9.34,18.195) v1(9.34,69.71)
  Bottom Layer w0.4: v1(9.34,18.195) U4.21@14.218,18.195 ; v1(9.34,69.71) 9.34,70.92 9.587,71.167 R36.1@10.258,71.167
SW1: R37.1 U4.22 | length 67.1
  Top Layer w0.4: v1(10.258,18.845) 10.258,25.872 10.06,26.07 10.06,28.94 10.258,29.138 v1(10.258,69.71)
  Bottom Layer w0.4: v1(10.258,18.845) U4.22@14.218,18.845 ; v1(10.258,69.71) 20.732,69.71 21.139,70.117 R37.1@21.139,71.167
SW2: R38.1 U4.23 | length 75.8
  Top Layer w0.4: v1(11.065,19.495) 11.065,26.225 10.78,26.51 10.78,28.46 11.065,28.745 v1(11.065,69.107)
  Bottom Layer w0.4: v1(11.065,19.495) U4.23@14.218,19.495 ; v1(11.065,69.107) 31.58,69.107 32.021,69.548 R38.1@32.021,71.167
SW3: R39.1 U4.24 | length 84.2
  Top Layer w0.4: v1(11.872,20.145) 11.872,26.242 12.07,26.44 12.07,28.51 11.872,28.708 v1(11.872,68.503)
  Bottom Layer w0.4: v1(11.872,20.145) U4.24@14.218,20.145 ; v1(11.872,68.503) 42.283,68.503 42.902,69.123 R39.1@42.902,71.167
SW4: R40.1 U4.25 | length 92.6
  Top Layer w0.4: v1(12.679,20.795) v1(12.679,67.9)
  Bottom Layer w0.4: v1(12.679,20.795) U4.25@14.218,20.795 ; v1(12.679,67.9) 53.043,67.9 53.784,68.641 R40.1@53.784,71.167
SW5: R41.1 U4.26 | length 104.7
  Top Layer w0.4: v1(13.486,24.51) v1(13.486,67.297)
  Bottom Layer w0.4: v1(13.486,24.51) 11.87,24.51 11.21,23.85 11.21,22 11.765,21.445 U4.26@14.218,21.445 ; v1@13.55,67.297 63.497,67.297 64.665,68.465 R41.1@64.665,71.167
SW6: R42.1 U4.27 | length 114.2
  Top Layer w0.4: v1(14.293,66.693) 14.293,27.077 14.485,26.885 v1(14.485,24.51)
  Bottom Layer w0.4: U4.27@14.218,22.095 12.114,22.095 11.88,22.329 11.88,23.54 12.2,23.86 14.251,23.86 14.485,24.094 v1(14.485,24.51) ; v1@14.325,66.693 74.343,66.693 75.547,67.897 R42.1@75.547,71.167
SW7: R43.1 U4.28 | length 120
  Top Layer w0.4: v1(15.1,66.09) 15.485,65.705 v1(15.485,24.51)
  Bottom Layer w0.4: U4.28@14.218,22.745 15.058,22.745 15.485,23.172 v1(15.485,24.51) ; v1(15.1,66.09) 84.91,66.09 86.428,67.608 R43.1@86.428,71.167
SW8: R44.1 U4.1 | length 43.7
  Top Layer w0.4: v1(18.79,54.78) 18.79,53.43 19.71,52.51 19.71,26.008 v1(19.452,25.75)
  Bottom Layer w0.4: R44.1@10.258,56.621 10.258,55.292 10.77,54.78 v1(18.79,54.78) ; v1(19.452,25.75) 19.452,25.097 20.883,23.666 20.883,22.755 20.893,22.745 U4.1@21.418,22.745
SW9: R71.1 U4.2 | length 38.4
  Top Layer w0.4: v1(19.965,54.78) 19.965,53.663 20.395,53.233 v1(20.395,25.75)
  Bottom Layer w0.4: v1(19.965,54.78) 19.967,54.782 19.967,55.377 20.201,55.611 20.882,55.611 21.116,55.846 21.116,56.597 R71.1@21.139,56.621 ; v1(20.395,25.75) 20.395,25.067 21.431,24.03 22.375,24.03 22.9,23.505 22.9,22.62 22.375,22.095 U4.2@21.418,22.095
SW10: R70.1 U4.3 | length 49
  Top Layer w0.4: v1(21.139,54.78) 21.139,54.095 21.337,53.897 v1(21.337,25.75)
  Bottom Layer w0.4: v1(21.139,54.78) 31.71,54.78 32.021,55.091 R70.1@32.021,56.621 ; v1(21.337,25.75) 21.337,25.284 21.572,25.05 22.49,25.05 23.51,24.03 23.51,22.34 22.615,21.445 U4.3@21.418,21.445
SW11: R69.1 U4.4 | length 59.5
  Top Layer w0.4: v1(22.092,54.172) 22.28,53.984 v1(22.28,25.75)
  Bottom Layer w0.4: U4.4@21.418,20.795 22.845,20.795 24.11,22.06 24.11,24.28 22.64,25.75 v1(22.28,25.75) ; v1@22.092,54.17 42.59,54.17 42.902,54.482 R69.1@42.902,56.621
SW12: R68.1 U4.5 | length 68.6
  Top Layer w0.4: v1(23.044,20.145) v1(23.044,53.564)
  Bottom Layer w0.4: U4.5@21.418,20.145 v1(23.044,20.145) ; v1(23.044,53.564) 53.344,53.564 53.784,54.004 R68.1@53.784,56.621
SW13: R67.1 U4.6 | length 80.3
  Top Layer w0.4: v1(23.996,20.145) 23.996,26.416 24.46,26.88 24.46,28.91 23.996,29.374 v1(23.996,52.956)
  Bottom Layer w0.4: U4.6@21.418,19.495 23.735,19.495 23.996,19.756 v1(23.996,20.145) ; v1(23.996,52.956) 64.146,52.956 64.665,53.475 R67.1@64.665,56.621
SW14: R66.1 U4.7 | length 91.5
  Top Layer w0.4: v1(24.948,20.145) 24.948,26.298 25.12,26.47 25.12,27 25.14,27.02 25.14,29.18 24.948,29.372 v1(24.948,52.348)
  Bottom Layer w0.4: U4.7@21.418,18.845 24.635,18.845 24.948,19.158 v1(24.948,20.145) ; v1(24.948,52.348) 74.888,52.348 75.547,53.007 R66.1@75.547,56.621
SW15: R65.1 U4.8 | length 102.7
  Top Layer w0.4: v1(25.9,20.145) v1(25.9,51.74)
  Bottom Layer w0.4: U4.8@21.418,18.195 25.445,18.195 25.9,18.65 v1(25.9,20.145) ; v1(25.9,51.74) 85.67,51.74 86.428,52.498 R65.1@86.428,56.621
SW16: R64.1 U5.21 | length 91.1
  Top Layer w0.4: v1(77.46,18.808) v1(77.46,36.989)
  Bottom Layer w0.4: R64.1@10.258,41.44 10.258,37.692 10.961,36.989 v1(77.46,36.989) ; U5.21@75.818,18.808 v1(77.46,18.808)
SW17: R63.1 U5.22 | length 83.2
  Top Layer w0.4: v1(78.317,18.158) v1(78.317,37.589)
  Bottom Layer w0.4: R63.1@21.139,42.074 21.139,38.201 21.751,37.589 68.327,37.589 68.328,37.59 v1(78.317,37.589) ; U5.22@75.818,18.158 v1(78.317,18.158)
SW18: R90.1 U5.23 | length 74.7
  Top Layer w0.4: v1@79.175,17.545 v1(79.175,38.189)
  Bottom Layer w0.4: R90.1@32.021,42.074 32.021,38.739 32.571,38.189 68.078,38.189 68.079,38.19 v1(79.175,38.189) ; U5.23@75.818,17.508 v1(79.175,17.508)
SW19: R91.1 U5.24 | length 66.2
  Top Layer w0.4: v1(80.032,16.858) v1(80.032,38.79)
  Bottom Layer w0.4: R91.1@42.902,42.074 42.902,39.358 43.471,38.789 67.83,38.789 67.831,38.79 v1(80.032,38.79) ; U5.24@75.818,16.858 v1(80.032,16.858)
SW20: R92.1 U5.25 | length 57.8
  Top Layer w0.4: v1(80.89,16.208) v1(80.89,39.39)
  Bottom Layer w0.4: R92.1@53.784,42.074 53.784,39.766 54.16,39.39 v1(80.89,39.39) ; U5.25@75.818,16.208 v1(80.89,16.208)
SW21: R93.1 U5.26 | length 53.6
  Top Layer w0.4: v1(81.747,15.558) 81.747,27.507 85.14,30.9 85.14,39.04 v1(84.19,39.99)
  Bottom Layer w0.4: R93.1@64.665,42.074 64.665,40.295 64.97,39.99 v1(84.19,39.99) ; U5.26@75.818,15.558 v1(81.747,15.558)
SW22: R94.1 U5.27 | length 45
  Top Layer w0.4: v1(82.605,14.908) 82.605,26.965 85.86,30.22 85.86,39.79 v1(85.06,40.59)
  Bottom Layer w0.4: R94.1@75.547,42.074 75.547,40.923 75.88,40.59 v1(85.06,40.59) ; U5.27@75.818,14.908 v1(82.605,14.908)
SW23: R95.1 U5.28 | length 37.1
  Top Layer w0.4: v1(83.462,14.258) 83.462,26.322 86.62,29.48 86.62,39.9 v1(85.92,40.6)
  Bottom Layer w0.4: U5.28@75.818,14.258 v1(83.462,14.258) ; v1(85.92,40.6) 85.998,40.678 R95.1@85.998,42.04
SW24: R96.1 U5.1 | length 67.8
  Bottom Layer w0.4: R96.1@10.258,27.527 10.258,26.722 10.58,26.4 23.12,26.4 23.86,25.66 30.02,25.66 32.03,23.65 60.58,23.65 61.02,23.21 61.02,17.23 63.992,14.258 U5.1@68.618,14.258
SW25: R97.1 U5.2 | length 56.4
  Bottom Layer w0.4: R97.1@21.139,27.527 22.933,27.527 24.13,26.33 30.44,26.33 32.37,24.4 61.24,24.4 61.78,23.86 61.78,17.58 64.452,14.908 U5.2@68.618,14.908
SW26: R98.1 U5.3 | length 46.3
  Bottom Layer w0.4: R98.1@32.021,27.527 32.021,25.829 32.74,25.11 61.75,25.11 62.53,24.33 62.53,17.91 64.882,15.558 U5.3@68.618,15.558
SW27: R116.1 U5.4 | length 34.9
  Bottom Layer w0.4: R116.1@42.902,27.527 42.902,26.398 43.58,25.72 62.29,25.72 63.3,24.71 63.3,18.17 65.262,16.208 U5.4@68.618,16.208
SW28: R115.1 U5.5 | length 23.6
  Bottom Layer w0.4: R115.1@53.784,27.527 53.784,26.726 54.18,26.33 62.78,26.33 64.03,25.08 64.03,18.38 65.552,16.858 U5.5@68.618,16.858
SW29: R114.1 U5.6 | length 13.3
  Bottom Layer w0.4: R114.1@64.665,27.527 64.665,18.665 65.822,17.508 U5.6@68.618,17.508
SW30: R113.1 U5.7 | length 21.8
  Bottom Layer w0.4: U5.7@68.618,18.158 66.162,18.158 65.37,18.95 65.37,25.74 65.91,26.28 75.16,26.28 75.547,26.667 R113.1@75.547,27.527
SW31: R112.1 U5.8 | length 30.8
  Bottom Layer w0.4: U5.8@68.618,18.808 66.542,18.808 66.07,19.28 66.07,25.317 66.413,25.66 85.9,25.66 86.428,26.188 R112.1@86.428,27.527
TPS_ENA: U1.5
VBUS: C28.10 C28.11 IC3.1 R8.2 R9.2 TVS2.1 TVS2.3 | length 37.1
  Bottom Layer w0.5: 43.505,3.715 45.009,3.715 45.982,4.688 TVS2.3@45.982,7.917 TVS2.1@47.882,7.917 47.882,14.51 ; IC3.1@46.905,15.965 46.917,15.953 46.917,14.893 47.3,14.51 47.882,14.51 ; R8.2@49.27,22.096 54.964,22.096 55.64,21.42 55.64,16.22 54.904,15.484 R9.2@49.27,15.484 49.12,15.484 48.146,14.51 47.882,14.51
pads on no net: C28. IC1.3 IC1.4 IC2.2 IC2.3 IC2.5 U1.2 U1.3 U2.5 U3.2 U3.5 U3.6 U3.7 U4.11 U4.14 U4.19 U4.20 U5.11 U5.14 U5.19 U5.20

## Polygon pours and split planes (outlines as drawn)
GND_AUX on Top Layer "GND_AUX_L01_P000" (solid, pour order 0): -0.005,1.2 -0.005,33.709 -0.005,33.715 cw(c1.2,33.715) 0.991,34.902 0.993,34.902 ccw(c0.72,36.065) 1.915,36.065 1.915,53.935 ccw(c0.72,53.935) 0.992,55.098 0.99,55.098 cw(c1.199,56.285) -0.006,56.285 -0.005,56.288 -0.005,88.8 cw(c1.2,88.8) 1.2,90.005 34.87,90.005 cw(c34.87,88.8) 36.075,88.8 36.075,88.27 ccw(c37.27,88.27) 37.27,87.075 37.273,87.065 55.187,87.065 55.19,87.075 ccw(c55.19,88.27) 56.385,88.27 56.385,88.8 cw(c57.59,88.8) 57.59,90.005 88.8,90.005 cw(c88.8,88.8) 90.005,88.8 90.005,56.277 90.004,56.274 cw(c88.799,56.289) 89.077,55.116 89.073,55.111 ccw(c89.28,53.935) 88.085,53.935 88.085,36.065 ccw(c89.28,36.065) 89.073,34.889 89.076,34.886 cw(c88.799,33.713) 90.004,33.737 90.005,33.734 90.005,1.143 90.004,1.139 cw(c88.8,1.2) 88.8,-0.005 81.99,-0.005 81.989,-0.005 cw(c82,0.8) 81.195,0.8 ccw(c80.4,0.8) 80.4,1.595 9.6,1.595 ccw(c9.6,0.8) 8.805,0.8 cw(c8,0.8) 8.011,-0.005 8.01,-0.005 1.2,-0.005 cw(c1.2,1.2)
GND_AUX on Layer 1 "GND_AUX_L02_P001" (solid, pour order 1): -0.005,1.2 -0.005,33.709 -0.005,33.715 cw(c1.2,33.715) 0.991,34.902 0.993,34.902 ccw(c0.72,36.065) 1.915,36.065 1.915,53.935 ccw(c0.72,53.935) 0.992,55.098 0.99,55.098 cw(c1.199,56.285) -0.006,56.285 -0.005,56.288 -0.005,88.8 cw(c1.2,88.8) 1.2,90.005 34.87,90.005 cw(c34.87,88.8) 36.075,88.8 36.075,88.27 ccw(c37.27,88.27) 37.27,87.075 37.273,87.065 55.187,87.065 55.19,87.075 ccw(c55.19,88.27) 56.385,88.27 56.385,88.8 cw(c57.59,88.8) 57.59,90.005 88.8,90.005 cw(c88.8,88.8) 90.005,88.8 90.005,56.277 90.004,56.274 cw(c88.799,56.289) 89.077,55.116 89.073,55.111 ccw(c89.28,53.935) 88.085,53.935 88.085,36.065 ccw(c89.28,36.065) 89.073,34.889 89.076,34.886 cw(c88.799,33.713) 90.004,33.737 90.005,33.734 90.005,1.143 90.004,1.139 cw(c88.8,1.2) 88.8,-0.005 81.99,-0.005 81.989,-0.005 cw(c82,0.8) 81.195,0.8 ccw(c80.4,0.8) 80.4,1.595 9.6,1.595 ccw(c9.6,0.8) 8.805,0.8 cw(c8,0.8) 8.011,-0.005 8.01,-0.005 1.2,-0.005 cw(c1.2,1.2)
GND_AUX on Bottom Layer "GND_AUX_L04_P003" (solid, pour order 3): -0.005,1.2 -0.005,33.709 -0.005,33.715 cw(c1.2,33.715) 0.991,34.902 0.993,34.902 ccw(c0.72,36.065) 1.915,36.065 1.915,53.935 ccw(c0.72,53.935) 0.992,55.098 0.99,55.098 cw(c1.199,56.285) -0.006,56.285 -0.005,56.288 -0.005,88.8 cw(c1.2,88.8) 1.2,90.005 34.87,90.005 cw(c34.87,88.8) 36.075,88.8 36.075,88.27 ccw(c37.27,88.27) 37.27,87.075 37.273,87.065 55.187,87.065 55.19,87.075 ccw(c55.19,88.27) 56.385,88.27 56.385,88.8 cw(c57.59,88.8) 57.59,90.005 88.8,90.005 cw(c88.8,88.8) 90.005,88.8 90.005,56.277 90.004,56.274 cw(c88.799,56.289) 89.077,55.116 89.073,55.111 ccw(c89.28,53.935) 88.085,53.935 88.085,36.065 ccw(c89.28,36.065) 89.073,34.889 89.076,34.886 cw(c88.799,33.713) 90.004,33.737 90.005,33.734 90.005,1.143 90.004,1.139 cw(c88.8,1.2) 88.8,-0.005 81.99,-0.005 81.989,-0.005 cw(c82,0.8) 81.195,0.8 ccw(c80.4,0.8) 80.4,1.595 9.6,1.595 ccw(c9.6,0.8) 8.805,0.8 cw(c8,0.8) 8.011,-0.005 8.01,-0.005 1.2,-0.005 cw(c1.2,1.2)
GND_AUX on Layer 2 "GND_AUX_L03_P002" (solid, pour order 2): -0.005,1.2 -0.005,33.709 -0.005,33.715 cw(c1.2,33.715) 0.991,34.902 0.993,34.902 ccw(c0.72,36.065) 1.915,36.065 1.915,53.935 ccw(c0.72,53.935) 0.992,55.098 0.99,55.098 cw(c1.199,56.285) -0.006,56.285 -0.005,56.288 -0.005,88.8 cw(c1.2,88.8) 1.2,90.005 34.87,90.005 cw(c34.87,88.8) 36.075,88.8 36.075,88.27 ccw(c37.27,88.27) 37.27,87.075 37.273,87.065 55.187,87.065 55.19,87.075 ccw(c55.19,88.27) 56.385,88.27 56.385,88.8 cw(c57.59,88.8) 57.59,90.005 88.8,90.005 cw(c88.8,88.8) 90.005,88.8 90.005,56.277 90.004,56.274 cw(c88.799,56.289) 89.077,55.116 89.073,55.111 ccw(c89.28,53.935) 88.085,53.935 88.085,36.065 ccw(c89.28,36.065) 89.073,34.889 89.076,34.886 cw(c88.799,33.713) 90.004,33.737 90.005,33.734 90.005,1.143 90.004,1.139 cw(c88.8,1.2) 88.8,-0.005 81.99,-0.005 81.989,-0.005 cw(c82,0.8) 81.195,0.8 ccw(c80.4,0.8) 80.4,1.595 9.6,1.595 ccw(c9.6,0.8) 8.805,0.8 cw(c8,0.8) 8.011,-0.005 8.01,-0.005 1.2,-0.005 cw(c1.2,1.2)

## Keep-outs
Keep-Out Layer:
  lines w0.01: -0.001,56.285 ccw(c1.199,56.285) 0.991,55.103 ; 0,33.709 0,1.2 ccw(c1.2,1.2) 1.2,0 8.01,0 ; 0,33.715 cw(c1.2,33.715) 0.992,34.897 ; 0,56.264 0,88.8 cw(c1.2,88.8) 1.2,90 34.87,90 cw(c34.87,88.8) 36.07,88.8 36.07,88.27 ccw(c37.27,88.27) 37.27,87.07 ; 0.928,34.883 ccw(c0.72,36.065) 1.92,36.065 1.92,53.935 ccw(c0.72,53.935) 0.928,55.117 ; 8,0 ccw(c8,0.8) 8.8,0.8 cw(c9.6,0.8) 9.6,1.6 80.4,1.6 cw(c80.4,0.8) 81.2,0.8 ccw(c82,0.8) 82,0 ; 37.27,87.06 55.19,87.06 ; 55.19,87.07 ccw(c55.19,88.27) 56.39,88.27 56.39,88.8 ; 81.99,0 88.8,0 ccw(c88.8,1.2) 90,1.2 ; 89.007,34.895 cw(c88.799,33.713) 89.999,33.713 ; 89.007,55.107 ccw(c88.799,56.289) 89.999,56.289 ; 89.072,34.883 cw(c89.28,36.065) 88.08,36.065 88.08,53.935 cw(c89.28,53.935) 89.072,55.117 ; 90,1.143 90,33.734 ; 90,56.277 90,88.8 ccw(c88.8,88.8) 88.8,90 57.59,90 ccw(c57.59,88.8) 56.39,88.8 ; 56.39,88.8 56.39,88.8

## Other copper
Top Layer:
  rectangle net SHIELD: 85.07,0.4 89.88,5.09
  rectangle net SHIELD: 82.35,84.93 89.86,89.62
  rectangle net SHIELD: 0.34,84.93 8.95,89.79
  rectangle net SHIELD: 0.23,0.19 5.06,5.18
  rectangle net +12_AUX: 60.46,3.09 63.94,4.87
  rectangle net +5: 46.92,3.11 48.13,5.69
  region net +12: 61.85,8.833 61.85,10.18 61.41,10.62 58,10.62 57.59,11.03 57.59,20.15 42.36,20.15 42.36,14.3 40.27,14.3 40.27,13.5 43.48,13.5 43.48,18.06 48.56,18.06 48.56,11.39 50.259,11.39 51.57,9.71 61.345,9.71 61.561,9.494 61.561,8.843
  region net +12: 27.79,25.34 27.79,23.48 42.36,23.48 42.36,20.07 44.26,20.07 44.26,25.34
  region net +12: 57.122,20.15 58.49,20.15 58.49,18.41 56.965,18.41
  region net NetC5_1: 27.65,21.04 42.07,21.04 42.07,15.13 40.28,15.13 40.28,19.06 39.32,19.06 38.68,19.7 30.02,19.7 28.22,17.9 26.31,17.9 26.31,19.7
  region net +5: 26.39,13.64 24.87,13.64 24.87,3.79 29.46,3.79 29.46,13.64
Layer 1:
  rectangle net SHIELD: 85.07,0.4 89.88,5.09
  rectangle net SHIELD: 82.35,84.93 89.86,89.62
  rectangle net SHIELD: 0.34,84.93 8.95,89.79
  rectangle net SHIELD: 0.23,0.19 5.06,5.18
Layer 2:
  rectangle net SHIELD: 0.23,0.19 5.06,5.18
  rectangle net SHIELD: 0.34,84.93 8.95,89.79
  rectangle net SHIELD: 85.07,0.4 89.88,5.09
  rectangle net SHIELD: 82.35,84.93 89.86,89.62
  rectangle net +12: 7.92,28.24 82.05,29.36
  rectangle net +12: 74.18,29.47 76.71,72.95
  rectangle net +12: 27.79,23.15 30,29.38
  region net +12_AUX: 38.23,2.3 44.61,2.3 44.61,3.08 64.18,3.08 64.18,4.06 38.23,4.06
Bottom Layer:
  rectangle net GND_AUX: 34.63,8.62 38.07,12.68
  rectangle net GND_BUS: 38.45,8.68 40.59,12.61
  rectangle net SHIELD: 0.23,0.19 5.06,5.18
  rectangle net SHIELD: 85.07,0.4 89.88,5.09
  rectangle net SHIELD: 82.35,84.93 89.86,89.62
  rectangle net SHIELD: 0.34,84.93 8.95,89.79
  rectangle net +5: 49.9,6.87 51.43,10.23
  region net +12_AUX: 44.61,3.22 38.07,3.22 38.07,7.97 34.63,7.97 34.63,2.3 44.61,2.3
  region net +5: 49.9,6.359 49.9,5.71 47.64,5.71 47.64,4.53 51.43,4.53 51.43,6.864
  region net VBUS: 40.59,3.96 44.61,3.96 44.61,3.47 38.46,3.47 38.46,7.97 40.59,7.97
  region net +5: 63.93,9.245 63.93,5.86 49.9,5.86 49.9,6.933 51.43,6.933 51.43,6.445 62.9,6.435 62.9,9.274

## Silkscreen, mask and mechanical layers (free items; w line width, h text height)
Top Overlay:
  drawing of 142 lines, arcs and shapes, not listed
  text "PROJECT BEE-PC1" at 39.88,83.218 h1.52
  text "LASERSYSTEM V1.0.0" at 38.932,80.818 h1.52
Bottom Overlay:
  text "PROJECT BEE-PC1" at 52.61,84.768 h1.52
  text "LASERSYSTEM V1.0.0" at 53.558,82.368 h1.52